# Altium PCB IPO1_V0.01.PcbDoc (part 2 of 2) (continued)
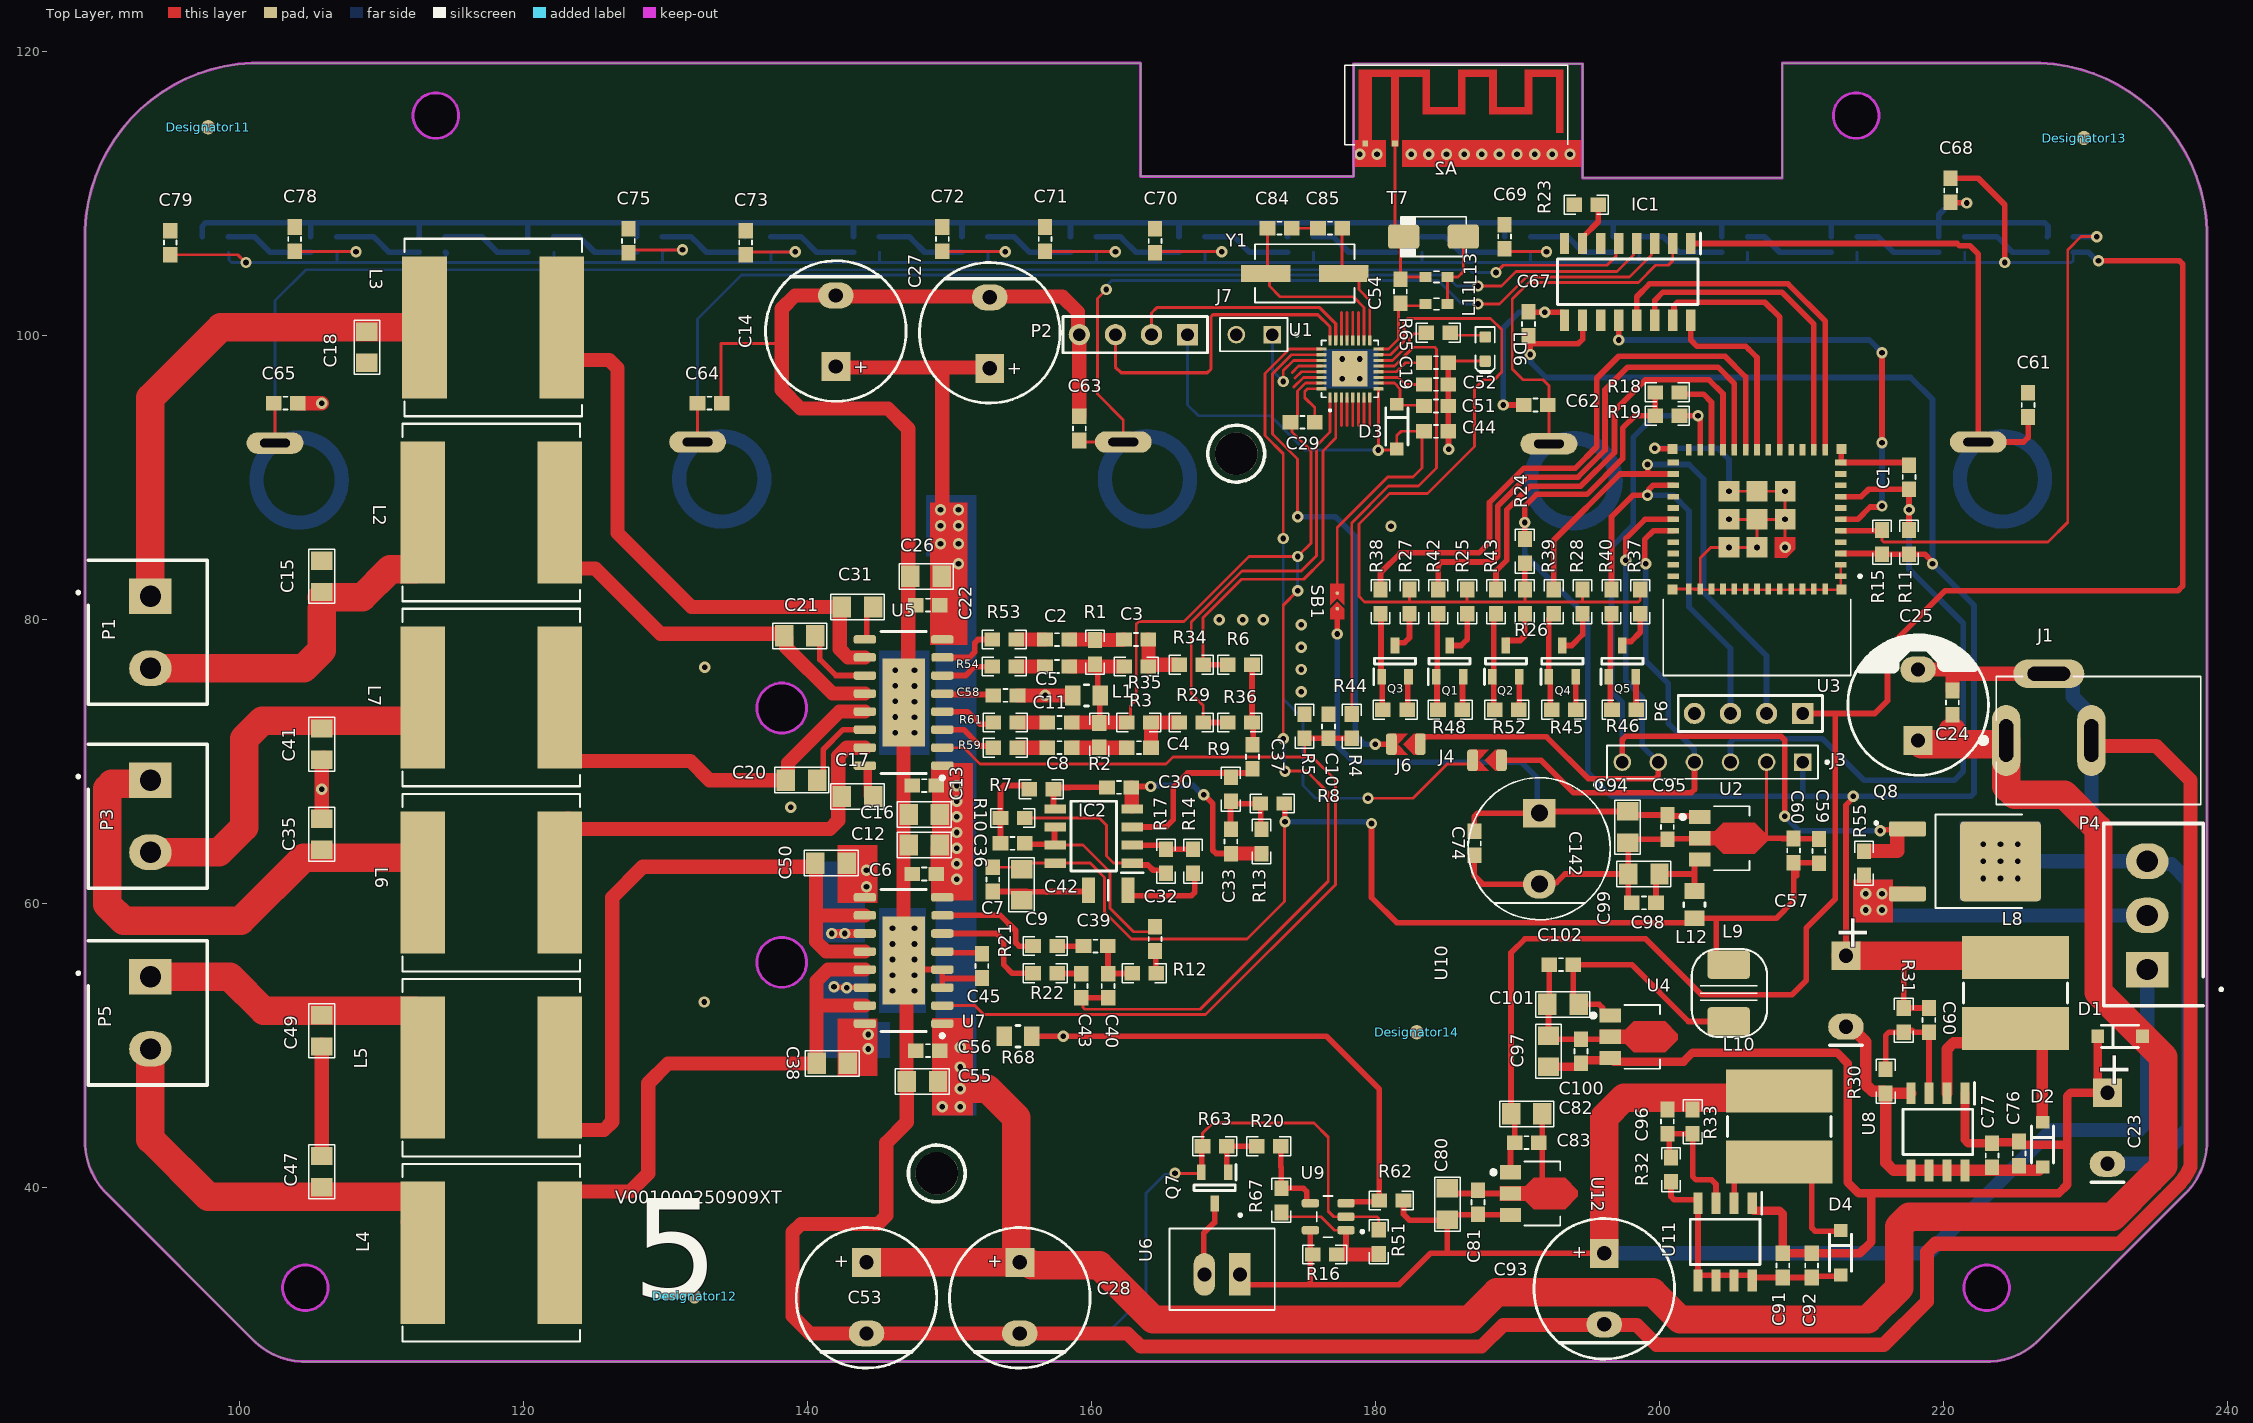
[diagram p0: Top Layer view]
## Nets (pads, with @x,y where several pads share a name; then routed paths per layer and width w, separated by ;. In a path a pad name is that pad's centre, name@x,y a point inside that pad or via, vN(x,y) a via of type N, cw(c..) or ccw(c..) an arc to the next point about the centre after c; other vN are vias at no path point) (continued)
  Top Layer w2: P3.2@93.726,63.627 98.552,63.627 100.33,65.405 100.33,71.628 101.6,72.898 112.328,72.898 112.903,73.473 L7.1@112.903,74.524
NetC34_2: C35.2 L6.1 P3.1 | length 47.8
  Top Layer w1: 90.678,68.121 91.014,68.457 91.264,68.707 P3.1@93.726,68.707 ; C35.2@105.791,63.649 111.828,63.649 112.232,63.246 112.903,62.575 L6.1@112.903,61.493
  Top Layer w2: 90.678,68.121 90.678,59.973 91.85,58.801 100.076,58.801 104.521,63.246 112.232,63.246 112.328,63.246 112.903,62.671 L6.1@112.903,62.575 ; 91.014,68.457 93.476,68.457 P3.1@93.726,68.707
NetC36_2: C36.2 R7.1 R10.1 | length 6.1
  Top Layer w0.4: C36.2@153.582,64.262 R10.1@153.582,66.04 153.582,68.092 153.816,68.326 155.36,68.326 R7.1@155.614,68.072
NetC37_2: C37.2 R6.1 R36.2 | length 5.7
  Top Layer w0.4: R6.1@171.284,76.835 R36.2@171.284,72.771 171.367,72.688 171.367,71.291 171.367,71.252 C37.2@171.323,71.208
NetC38_1: C38.1 L4.2 U7.13 U7.15 | length 41.7
  Top Layer w1: L4.2@122.555,35.433 122.555,38.676 123.63,39.751 127.508,39.751 128.778,41.021 128.778,47.371 130.175,48.768 C38.1@140.632,48.768 140.632,54.575 141.429,55.372 U7.13@144.029,55.372 ; 141.097,52.832 U7.15@144.029,52.832
NetC38_2: C38.2 U7.14 U7.16 | length 11.5
  Top Layer w0.4: v1(141.859,54.155) 141.886,54.129 144.002,54.129 U7.14@144.029,54.102 ; U7.16@144.029,51.562 144.172,51.562 U7.16@144.272,51.462
  Top Layer w0.6: C38.2@142.832,48.768 142.832,48.87 143.18,49.217 143.882,49.217 144.234,49.569 144.234,50.762 v1(144.272,50.8) U7.16@144.272,51.462
  Bottom Layer w0.4: v1(142.748,54.102) 142.748,54.049 142.367,53.668 142.367,51.054 142.698,50.723 144.195,50.723 v1(144.272,50.8)
  other v1: 144.272,49.784
NetC39_1: C39.1 R21.1 | length 1.9
  Top Layer w0.4: R21.1@157.568,57.023 C39.1@159.424,57.023
NetC42_2: C42.2 R14.1 | length 6.4
  Top Layer w0.4: C42.2@162.56,60.96 162.56,60.825 162.81,60.575 167.025,60.575 167.259,60.809 167.259,62.015 R14.1@167.132,62.142
NetC43_1: C43.1 R22.1 | length 1.7
  Top Layer w0.4: R22.1@157.568,55.118 157.587,55.099 159.238,55.099 C43.1@159.258,55.079
NetC45_2: C45.2 U7.5 | length 2.9
  Top Layer w0.4: U7.5@149.479,56.639 149.561,56.558 152.191,56.558 C45.2@152.273,56.476
NetC47_2: C47.2 L4.1 P5.2 | length 33.1
  Top Layer w1: C47.2@105.791,40.048 105.894,39.945 105.894,39.37 ; L4.1@111.828,37.592 112.903,36.517 L4.1@112.903,35.433
  Top Layer w2: P5.2@93.726,49.784 93.726,43.434 97.79,39.37 105.894,39.37 112.328,39.37 112.903,38.795 L4.1@112.903,36.517
NetC48_1: C49.1 L5.1 P5.1 | length 23.8
  Top Layer w2: P5.1@93.726,54.864 99.314,54.864 101.715,52.463 105.791,52.463 112.328,52.463 112.903,51.888 L5.1@112.903,48.463
NetC50_1: C50.1 L5.2 U7.10 U7.12 | length 51.5
  Top Layer w1: L5.2@122.555,48.463 122.555,45.144 123.63,44.069 125.652,44.069 126.238,44.655 126.238,60.452 128.397,62.611 C50.1@140.589,62.611 ; C50.1@140.548,62.865 140.548,62.652 C50.1@140.589,62.611 ; U7.12@144.029,56.639 141.305,56.639 140.589,57.355 140.589,59.309 ; U7.10@144.029,59.186 140.712,59.186 140.589,59.309 ; 140.589,59.309 C50.1@140.589,62.611
NetC50_2: C50.2 U7.9 U7.11 | length 11.1
  Top Layer w0.4: U7.9@143.891,60.552 143.991,60.452 U7.9@144.029,60.452
  Top Layer w0.6: v1(141.689,57.912) v1(142.621,57.912) U7.11@144.029,57.912 ; C50.2@142.748,62.865 142.748,62.763 143.096,62.416 144.032,62.416 144.091,62.357 v1(144.145,62.357) v1(144.145,61.214) 144.107,61.176 144.107,60.452 U7.9@144.029,60.452 ; U7.9@143.891,60.452 U7.9@143.991,60.452
  Bottom Layer w0.4: v1(142.621,57.912) 142.621,61.056 142.855,61.291 144.068,61.291 v1(144.145,61.214)
NetC58_2: C58.2 U5.5 | length 3.6
  Top Layer w0.4: U5.5@149.479,74.8 149.541,74.738 153.012,74.738 C58.2@153.074,74.676
NetC61_1: C61.1 IC1.1 T6.1 | length 38.9
  Top Layer w0.4: IC1.1@202.184,106.492 220.936,106.492 221.096,106.332 221.836,106.332 222.423,105.745 T6.1@222.423,92.516 225.612,92.516 225.933,92.837 C61.1@225.933,94.273
NetC62_1: C62.1 IC1.2 T5.1 | length 25.7
  Top Layer w0.2: T5.1@192.197,92.389 192.197,96.474 191.77,96.901 190.373,96.901 189.611,97.663 189.611,102.587 190.783,103.759 198.498,103.759 199.706,104.966 200.597,104.966 200.914,105.283 IC1.2@200.914,106.492
NetC63_1: C63.1 IC1.3 T4.1 | length 57.3
  Top Layer w0.2: C63.1@159.131,92.622 159.237,92.516 T4.1@160.401,92.516 ; T4.1@160.636,93.026 160.636,92.751 T4.1@160.401,92.516 ; v1(161.036,103.251) 160.401,102.616 160.401,95.885 162.225,94.061 T4.1@162.225,92.516 T4.1@160.401,92.516 ; v1(187.198,102.235) 188.722,102.235 190.626,104.139 197.865,104.139 199.419,105.693 199.419,106.267 IC1.3@199.644,106.492
  Bottom Layer w0.2: v1(161.036,103.251) 161.151,103.366 161.151,103.62 161.417,103.886 184.404,103.886 186.055,102.235 v1(187.198,102.235)
NetC64_1: C64.1 IC1.4 T3.1 | length 81.2
  Top Layer w0.2: C64.1@132.246,95.25 132.253,95.243 T3.1@132.253,92.516 ; v1(187.198,103.505) 188.849,103.505 189.865,104.521 196.977,104.521 198.149,105.693 198.149,106.267 IC1.4@198.374,106.492
  Bottom Layer w0.2: T3.1@132.253,92.516 132.253,101.166 135.354,104.267 184.912,104.267 185.674,103.505 v1(187.198,103.505)
  Bottom Layer w0.4: T3.1@132.253,92.516 T3.1@132.457,92.516 ; T3.1@133.059,92.779 T3.1@133.303,93.024
NetC65_1: C65.1 IC1.5 T2.1 | length 109.7
  Top Layer w0.2: C65.1@102.401,95.25 102.501,95.15 T2.1@102.501,92.439 ; v1(188.468,104.456) 188.978,104.966 196.279,104.966 196.905,105.592 196.905,106.293 IC1.5@197.104,106.492
  Bottom Layer w0.2: T2.1@102.501,92.439 102.501,102.471 104.678,104.648 186.592,104.648 186.784,104.456 v1(188.468,104.456)
NetC66_1: IC1.6
NetC90_2: C90.2 R30.2 R31.1 U8.3 | length 9.9
  Top Layer w0.4: R30.2@215.9,48.348 215.9,50.732 216.134,50.966 R31.1@217.17,50.966 217.297,51.093 217.754,51.093 217.881,50.966 C90.2@218.948,50.966 U8.3@218.948,46.654
NetC96_2: C96.2 R32.2 R33.1 U11.3 | length 9.8
  Top Layer w0.4: R32.2@200.787,42.136 200.66,42.263 200.66,43.688 C96.2@200.533,43.815 R33.1@202.311,43.815 202.311,40.797 202.545,40.562 203.659,40.562 203.962,40.259 U11.3@203.962,38.907
NetC101_2: C101.2 C102.2 L9.2 U4.1 | length 18.8
  Top Layer w0.4: U4.1@196.516,52.135 196.266,52.135 195.966,52.435 195.966,52.685 195.73,52.921 C101.2@194.282,52.921 ; L9.2@204.851,51.721 202.025,51.721 198.031,55.715 C102.2@193.905,55.715 C101.2@193.905,53.298 ; C101.2@193.905,53.298 C101.2@194.282,52.921 ; C101.2@193.905,53.298 C101.2@194.282,52.921
NetD2_1: D2.1 L8.2 U8.2 | length 18.1
  Top Layer w0.4: L8.2@223.766,49.943 224.917,51.094 L8.2@225.044,51.221 225.624,51.221 L8.2@226.924,49.921 ; D2.1@226.924,44.628 D2.1@226.949,44.628
  Top Layer w0.8: U8.2@220.218,46.654 220.218,49.763 220.687,50.231 224.054,50.231 L8.2@225.044,51.221 ; D2.1@226.924,44.628 L8.2@226.924,49.921
NetD4_1: D4.1 L10.2 U11.2 | length 13.6
  Top Layer w0.4: U11.2@205.232,38.907 205.232,40.517 206.538,41.823 209.393,41.823 210.693,40.523 210.693,37.188 210.927,36.954 212.671,36.954 D4.1@212.725,37.008
NetIC1_7: IC1.7 R23.1 | length 3.2
  Top Layer w0.4: IC1.7@194.564,106.492 194.564,106.917 195.668,108.021 R23.1@195.668,109.22
NetIC2_1: IC2.1 R10.2 R17.1 | length 12.8
  Top Layer w0.2: R10.2@155.282,66.04 160.528,66.04 161.036,65.532 161.036,63.373 161.544,62.865 IC2.1@162.859,62.865
  Top Layer w0.4: IC2.1@162.859,62.865 162.984,62.74 163.955,62.74 164.33,62.365 165.004,62.365 R17.1@165.227,62.142
NetIC2_2: IC2.2 R14.2 R17.2 | length 4.4
  Top Layer w0.4: IC2.2@162.859,64.135 164.934,64.135 R17.2@165.227,63.842 ; R17.2@165.282,63.77 165.354,63.842 R14.2@167.132,63.842
NetLD6_2: LD6.2 R65.2 | length 2.6
  Top Layer w0.2: R65.2@185.254,100.203 185.42,100.037 187.579,100.037 LD6.2@187.706,99.91
NetLED1_1: LED1.1 LED2.3 | length 6.3
  Bottom Layer w0.4: LED2.3@221.466,106.976 223.732,106.976 224.832,105.876 LED1.1@227.277,105.876
NetLED2_1: LED2.1 LED3.3 | length 6.2
  Bottom Layer w0.4: LED3.3@213.894,106.976 215.35,106.976 216.45,105.876 LED2.1@219.636,105.876
NetLED3_1: LED3.1 LED4.3 | length 6.3
  Bottom Layer w0.4: LED4.3@206.184,106.976 207.349,106.976 208.449,105.876 LED3.1@212.064,105.876
NetLED4_1: LED4.1 LED5.3 | length 6.3
  Bottom Layer w0.4: LED5.3@198.543,106.976 200.237,106.976 200.405,106.808 201.337,105.876 LED4.1@204.354,105.876
NetLED5_1: LED5.1 LED6.3 | length 6.3
  Bottom Layer w0.4: LED6.3@190.903,106.976 193.506,106.976 194.606,105.876 LED5.1@196.713,105.876
NetLED6_1: LED6.1 LED7.3 | length 6.3
  Bottom Layer w0.4: LED7.3@183.262,106.976 184.87,106.976 185.97,105.876 LED6.1@189.073,105.876
NetLED7_1: LED7.1 LED8.3 | length 6.3
  Bottom Layer w0.4: LED8.3@175.621,106.976 176.996,106.976 178.096,105.876 LED7.1@181.432,105.876
NetLED8_1: LED8.1 LED9.3 | length 6.3
  Bottom Layer w0.4: LED9.3@167.98,106.976 170.011,106.976 171.111,105.876 LED8.1@173.791,105.876
NetLED9_1: LED9.1 LED10.3 | length 6.3
  Bottom Layer w0.4: LED10.3@160.339,106.976 162.01,106.976 162.178,106.808 163.11,105.876 LED9.1@166.15,105.876
NetLED10_1: LED10.1 LED11.3 | length 6.3
  Bottom Layer w0.4: LED11.3@152.698,106.976 154.517,106.976 155.617,105.876 LED10.1@158.509,105.876
NetLED11_1: LED11.1 LED12.3 | length 6.3
  Bottom Layer w0.4: LED12.3@145.057,106.976 147.151,106.976 147.319,106.808 148.251,105.876 LED11.1@150.868,105.876
NetLED12_1: LED12.1 LED13.3 | length 6.3
  Bottom Layer w0.4: LED13.3@137.416,106.976 139.531,106.976 140.631,105.876 LED12.1@143.227,105.876
NetLED13_1: LED13.1 LED14.3 | length 6.3
  Bottom Layer w0.4: LED14.3@129.776,106.976 131.784,106.976 131.952,106.808 132.884,105.876 LED13.1@135.586,105.876
NetLED14_1: LED14.1 LED15.3 | length 6.3
  Bottom Layer w0.4: LED15.3@122.135,106.976 123.91,106.976 125.01,105.876 LED14.1@127.946,105.876
NetLED15_1: LED15.1 LED16.3 | length 6.3
  Bottom Layer w0.4: LED16.3@114.494,106.976 117.052,106.976 118.152,105.876 LED15.1@120.305,105.876
NetLED16_1: LED16.1 LED17.3 | length 6.3
  Bottom Layer w0.4: LED17.3@106.853,106.976 109.432,106.976 109.6,106.808 110.532,105.876 LED16.1@112.664,105.876
NetLED17_1: LED17.1 LED18.3 | length 6.3
  Bottom Layer w0.4: LED18.3@99.212,106.976 101.05,106.976 101.218,106.808 102.15,105.876 LED17.1@105.023,105.876
NetQ1_1: Q1.1 R42.2 R48.1 | length 6.9
  Top Layer w0.4: R48.1@184.38,73.66 184.314,73.726 184.314,75.923 Q1.1@184.248,75.989 184.326,76.067 184.326,80.352 R42.2@184.404,80.43
NetQ1_3: Q1.3 R25.1 | length 3.2
  Top Layer w0.4: Q1.3@185.198,78.189 186.012,78.189 186.436,78.613 R25.1@186.436,80.43
NetQ2_1: Q2.1 R43.2 R52.2 | length 6.9
  Top Layer w0.4: R52.2@188.38,73.66 188.298,73.742 188.298,75.907 Q2.1@188.217,75.989 188.317,76.089 188.317,80.278 R43.2@188.468,80.43
NetQ2_3: Q2.3 R26.1 | length 3.3
  Top Layer w0.4: Q2.3@189.167,78.189 189.167,78.439 189.267,78.539 190.172,78.539 190.492,78.859 190.492,80.422 R26.1@190.5,80.43
NetQ3_1: Q3.1 R38.1 R44.1 | length 6.8
  Top Layer w0.4: R38.1@180.34,80.43 180.373,80.397 180.373,76.022 180.456,75.939 180.456,73.71 R44.1@180.506,73.66
NetQ3_3: Q3.3 R27.1 | length 3
  Top Layer w0.4: Q3.3@181.356,78.189 181.356,78.29 181.456,78.39 182.022,78.39 182.372,78.74 R27.1@182.372,80.43
NetQ4_1: Q4.1 R39.2 R45.1 | length 7
  Top Layer w0.4: R45.1@192.381,73.66 192.283,73.758 192.283,75.891 Q4.1@192.185,75.989 192.185,80.033 192.532,80.38 R39.2@192.532,80.43
NetQ4_3: Q4.3 R28.1 | length 3.2
  Top Layer w0.4: Q4.3@193.135,78.189 193.801,78.189 194.564,78.952 R28.1@194.564,80.43
NetQ5_1: Q5.1 R40.1 R46.1 | length 6.9
  Top Layer w0.4: R40.1@196.596,80.43 196.502,80.336 196.502,76.083 Q5.1@196.408,75.989 196.508,75.889 196.508,73.787 R46.1@196.635,73.66
NetQ5_3: Q5.3 R37.1 | length 3.1
  Top Layer w0.4: Q5.3@197.358,78.189 197.358,78.369 197.458,78.469 197.976,78.469 198.628,79.121 R37.1@198.628,80.43
NetQ6_1: 
NetQ6_3: 
NetQ7_1: Q7.1 R20.2 R63.1 | length 4
  Top Layer w0.4: Q7.1@169.606,41.105 169.506,41.205 169.506,41.89 R63.1@169.506,42.926 R20.2@171.616,42.926
NetQ7_3: Q7.3 U6.2 | length 5.4
  Top Layer w0.4: U6.2@167.934,33.909 167.894,33.949 167.894,36.83 168.614,37.55 168.656,37.55 Q7.3@168.656,38.905
NetR16_1: R16.1 R51.2 R67.1 U9.1 | length 9.1
  Top Layer w0.2: R67.1@173.648,37.973 176.149,37.973 177.101,37.021 U9.1@177.903,37.021
  Top Layer w0.4: R67.1@173.355,38.266 R67.1@173.648,37.973 ; U9.1@177.903,37.021 177.903,35.33 177.927,35.306
  Top Layer w1: 177.927,35.306 180.213,35.306 R51.2@180.213,35.345
NetR20_1: R20.1 R67.2 U9.4 | length 5.9
  Top Layer w0.4: R20.1@173.316,42.926 173.316,41.481 173.335,41.461 173.335,39.986 R67.2@173.355,39.966 174.918,39.966 175.132,39.752 175.132,39.016 175.227,38.921 U9.4@175.393,38.921
NetR21_2: R21.2 U7.7 | length 7.8
  Top Layer w0.4: U7.7@149.5,59.186 153.569,59.186 154.65,58.104 154.65,57.257 154.884,57.023 R21.2@155.868,57.023
NetR22_2: R22.2 U7.6 | length 8.5
  Top Layer w0.4: U7.6@149.479,57.912 153.289,57.912 153.797,57.404 153.797,55.718 154.397,55.118 R22.2@155.868,55.118
NetR53_2: R53.2 U5.7 | length 4.4
  Top Layer w0.4: U5.7@149.5,77.347 151.388,77.347 151.765,77.724 151.765,78.374 151.999,78.608 R53.2@153.001,78.608
NetR54_2: R54.2 U5.6 | length 3.8
  Top Layer w0.4: U5.6@149.479,76.073 151.13,76.073 151.76,76.703 R54.2@153.001,76.703
NetR56_2: R56.2 R62.1 R68.2 U9.3 | length 38.7
  Top Layer w0.4: R68.2@155.775,50.673 v1(157.988,50.673) 176.53,50.673 180.252,46.951 R62.1@180.252,39.116 180.152,39.016 177.998,39.016 U9.3@177.903,38.921
  Bottom Layer w0.4: R56.2@155.648,50.546 155.775,50.673 v1(157.988,50.673)
NetR59_2: R59.2 U5.3 | length 4.1
  Top Layer w0.4: U5.3@149.479,72.263 151.003,72.263 151.129,72.137 151.407,71.859 152.158,71.108 152.959,71.108 R59.2@153.074,70.993
NetR61_2: R61.2 U5.4 | length 4
  Top Layer w0.4: U5.4@149.479,73.533 151.257,73.533 152.146,72.644 152.947,72.644 R61.2@153.074,72.771
PWR_OFF_T: IC1.11
SD_CLK: U1.6 | length 2
  Top Layer w0.2: 178.781,93.683 U1.6@178.781,95.658
SD_DAT: U1.8 | length 2
  Top Layer w0.2: 179.581,93.683 U1.8@179.581,95.658
SD_PG: U1.3 | length 2
  Top Layer w0.2: 177.581,93.683 U1.3@177.581,95.658
USB_DM: 
USB_DP: 
USBDM: P2.2 U1.23 | length 16.3
  Top Layer w0.22: P2.2@164.211,100.076 164.211,101.6 164.592,101.981 176.046,101.981 177.181,100.846 U1.23@177.181,99.668
USBDP: P2.3 U1.24 | length 22.7
  Top Layer w0.22: P2.3@161.671,100.076 161.671,97.79 162.071,97.39 168.148,97.39 168.402,97.644 168.402,101.344 168.531,101.473 175.928,101.473 176.781,100.62 U1.24@176.781,99.668
VBAT: C51.1 D3.2 U1.10 | length 4.6
  Top Layer w0.2: U1.10@180.186,96.663 181.309,96.663 181.71,96.262 181.71,95.101 183.349,95.101 C51.1@183.4,95.05
VCC: C6.1 C12.2 C13.1 C14.1 C16.2 C22.1 C24.1 C25.1 C26.2 C27.1 C28.1 C53.1 C55.2 C56.1 D1.2 J1.1 U5.1 U5.8 U7.1 U7.8 | length 207.7
  Top Layer w0.4: C13.1@149.059,68.326 149.109,68.326 v1(150.495,68.326) ; C16.2@149.161,66.543 149.479,66.226 149.538,66.167 v1@150.495,66.167
  Top Layer w1: C14.1@141.986,97.83 142.049,97.766 149.479,97.766 ; C6.1@149.059,62.103 C6.1@149.109,62.103 ; C13.1@149.109,68.326 149.194,68.411 U5.1@149.194,69.523 ; U7.8@149.194,60.652 149.194,62.018 C6.1@149.109,62.103 ; C12.2@149.309,64.135 C12.2@149.411,64.135 ; C16.2@149.479,66.226 149.479,64.135 C12.2@149.411,64.135 ; 149.479,78.994 149.479,85.344 149.479,97.766 ; C27.1@152.821,97.703 152.758,97.766 149.479,97.766 ; C6.1@149.109,62.103 149.161,62.155 149.161,63.886 C12.2@149.411,64.135
  Top Layer w2: C53.1@144.145,34.758 C28.1@154.94,34.758 ; v1@150.495,46.99 v1(150.749,46.99) 152.654,46.99 154.686,44.958 154.686,35.012 C28.1@154.94,34.758 ; C25.1@218.186,71.501 218.44,71.247 220.599,71.247 ; 220.599,72.136 220.599,71.247 ; C28.1@154.94,34.758 154.956,34.742 155.574,34.742 155.772,34.544 160.528,34.544 164.338,30.734 186.604,30.734 188.509,32.639 199.517,32.639 201.422,30.734 214.63,30.734 216.852,32.956 216.852,37.274 217.551,37.973 231.892,37.973 234.539,40.619 235.357,41.438 235.458,41.561 235.458,49.2 D1.2@233.985,50.673 230.886,53.772 230.886,65.278 228.473,67.691 224.972,67.691 224.386,68.277 J1.1@224.386,71.501 224.132,71.247 220.599,71.247
  Bottom Layer w0.4: v1(150.495,61.722) v1(150.495,62.823) v1(150.495,63.923) v1(150.495,65.024) v1(150.495,66.125) v1(150.495,67.225) v1(150.495,68.326)
  Bottom Layer w1: C27.1@152.821,97.703 C27.1@153.06,97.942 ; J1.1@224.259,71.374 J1.1@224.386,71.501
  other v1: 149.479,45.72 150.749,45.72 150.749,48.514 150.749,49.911 150.622,83.947 149.352,85.344 150.622,85.344 149.352,86.614 150.622,86.614 149.352,87.757 150.622,87.757
VCM: C29.1 U1.32 | length 3.7
  Top Layer w0.2: C29.1@175.702,93.907 175.702,94.935 175.006,95.631 175.006,96.08 175.189,96.263 U1.32@176.176,96.263
Vin-P: C98.2 C99.2 L12.1 U2.3 | length 7.1
  Top Layer w0.4: C98.2@199.732,60.071 199.732,61.853 C99.2@199.982,62.103 202.311,62.103 202.438,62.23 ; L12.1@202.438,60.906 202.438,62.23 ; U2.3@202.819,63.119 202.738,63.119 202.438,62.819 202.438,62.23
Vout: C74.2 C94.2 C95.2 C142.1 SB1.1 U2.1 | length 44.4
  Top Layer w0.4: v1(177.292,78.994) SB1.1@177.292,80.78 ; C74.2@186.944,65.112 186.944,66.147 187.178,66.381 C142.1@191.516,66.381 191.64,66.505 C94.2@197.739,66.505 197.989,66.255 C95.2@200.533,66.255 200.601,66.187 202.751,66.187 U2.1@202.819,66.119
  Bottom Layer w0.4: v1(177.292,78.994) 177.292,71.12 178.435,69.977 190.246,69.977 191.366,68.857 191.366,66.531 C142.1@191.516,66.381
VPWR: C44.1 D3.1 P2.1 SB1.2 U1.9 | length 43.3
  Top Layer w0.2: SB1.2@177.292,81.88 177.292,86.487 180.848,90.043 182.626,90.043 183.261,90.678 183.261,93.133 C44.1@183.4,93.272 181.791,93.272 181.483,92.964 D3.1@181.483,92.024 181.407,91.948 v1(180.186,91.948) U1.9@180.186,96.263
  Bottom Layer w0.2: P2.1@166.751,100.076 166.751,95.123 167.513,94.361 172.593,94.361 175.006,91.948 v1(180.186,91.948)
pads on no net: Designator11.25 Designator12.25 Designator13.25 Designator14.25 IC1.8 L9.0 LD6.0 LED18.1 T7.0 U3.4 U3.7 U3.9 U3.10 U3.15 U3.17 U3.24 U3.25 U3.28 U3.29 U3.32 U3.33 U3.34 U3.35 U10.3

## Polygon pours and split planes (outlines as drawn)
GND on Top Layer "NONET_L01_P000" (solid, remove dead copper, shelved, pour order 0): 89.617,41.054 89.421,41.526 89.273,42.015 89.173,42.516 89.123,43.025 89.123,43.28 89.123,106.998 89.123,107.478 89.199,108.434 89.349,109.38 89.572,110.313 89.869,111.224 90.235,112.11 90.671,112.964 91.172,113.782 91.735,114.557 92.358,115.286 93.036,115.964 93.765,116.587 94.54,117.15 95.358,117.651 96.212,118.087 97.098,118.454 98.009,118.75 98.942,118.974 99.889,119.124 100.844,119.199 163.442,119.199 163.442,111.221 178.442,111.221 178.442,119.144 194.564,119.144 194.564,111.112 208.621,111.112 208.621,119.199 226.803,119.199 227.759,119.124 228.706,118.974 229.638,118.75 230.55,118.454 231.435,118.087 232.29,117.651 233.107,117.15 233.883,116.587 234.612,115.964 235.29,115.286 235.912,114.557 236.476,113.782 236.977,112.964 237.412,112.11 237.779,111.224 238.075,110.313 238.299,109.38 238.449,108.434 238.524,107.478 238.524,106.998 238.524,43.28 238.524,43.025 238.474,42.516 238.374,42.015 238.226,41.526 238.03,41.054 237.79,40.603 237.506,40.179 237.182,39.784 237.001,39.603 226.687,29.289 226.507,29.109 226.112,28.784 225.687,28.501 225.236,28.26 224.764,28.064 224.275,27.916 223.774,27.816 223.265,27.766 223.01,27.766 104.382,27.766 103.873,27.816 103.372,27.916 102.883,28.064 102.411,28.26 101.961,28.501 101.536,28.784 101.141,29.109 100.96,29.289 90.646,39.603 90.466,39.784 90.142,40.179 89.858,40.603
GND on Bottom Layer "NONET_L02_P001" (solid, remove dead copper, shelved, pour order 1): 89.617,41.054 89.421,41.526 89.273,42.015 89.173,42.516 89.123,43.025 89.123,43.28 89.123,106.998 89.123,107.478 89.199,108.434 89.349,109.38 89.572,110.313 89.869,111.224 90.235,112.11 90.671,112.964 91.172,113.782 91.735,114.557 92.358,115.286 93.036,115.964 93.765,116.587 94.54,117.15 95.358,117.651 96.212,118.087 97.098,118.454 98.009,118.75 98.942,118.974 99.889,119.124 100.844,119.199 163.442,119.199 163.442,111.221 178.442,111.221 178.442,119.144 194.564,119.144 194.564,111.112 208.621,111.112 208.621,119.199 226.803,119.199 227.759,119.124 228.706,118.974 229.638,118.75 230.55,118.454 231.435,118.087 232.29,117.651 233.107,117.15 233.883,116.587 234.612,115.964 235.29,115.286 235.912,114.557 236.476,113.782 236.977,112.964 237.412,112.11 237.779,111.224 238.075,110.313 238.299,109.38 238.449,108.434 238.524,107.478 238.524,106.998 238.524,43.28 238.524,43.025 238.474,42.516 238.374,42.015 238.226,41.526 238.03,41.054 237.79,40.603 237.506,40.179 237.182,39.784 237.001,39.603 226.687,29.289 226.507,29.109 226.112,28.784 225.687,28.501 225.236,28.26 224.764,28.064 224.275,27.916 223.774,27.816 223.265,27.766 223.01,27.766 104.382,27.766 103.873,27.816 103.372,27.916 102.883,28.064 102.411,28.26 101.961,28.501 101.536,28.784 101.141,29.109 100.96,29.289 90.646,39.603 90.466,39.784 90.142,40.179 89.858,40.603

## Keep-outs
Keep-Out Layer:
  lines w0.2: 89.123,43.025 89.123,43.28 89.123,106.998 89.123,107.478 89.199,108.434 89.349,109.38 89.572,110.313 89.869,111.224 90.235,112.11 90.671,112.964 91.172,113.782 91.735,114.557 92.358,115.286 93.036,115.964 93.765,116.587 94.54,117.15 95.358,117.651 96.212,118.087 97.098,118.454 98.009,118.75 98.942,118.974 99.889,119.124 100.844,119.199 163.442,119.199 163.442,111.221 178.442,111.221 178.442,119.144 194.564,119.144 194.564,111.112 208.621,111.112 208.621,119.199 226.803,119.199 227.759,119.124 228.706,118.974 229.638,118.75 230.55,118.454 231.435,118.087 232.29,117.651 233.107,117.15 233.883,116.587 234.612,115.964 235.29,115.286 235.912,114.557 236.476,113.782 236.977,112.964 237.412,112.11 237.779,111.224 238.075,110.313 238.299,109.38 238.449,108.434 238.524,107.478 238.524,106.998 238.524,43.28 238.524,43.025 238.474,42.516 238.374,42.015 238.226,41.526 238.03,41.054 237.79,40.603 237.506,40.179 237.182,39.784 237.001,39.603 226.687,29.289 226.507,29.109 226.112,28.784 225.687,28.501 225.236,28.26 224.764,28.064 224.275,27.916 223.774,27.816 223.265,27.766 223.01,27.766 104.382,27.766 103.873,27.816 103.372,27.916 102.883,28.064 102.411,28.26 101.961,28.501 101.536,28.784 101.141,29.109 100.96,29.289 90.646,39.603 90.466,39.784 90.142,40.179 89.858,40.603 89.617,41.054 89.421,41.526 89.273,42.015 89.173,42.516 89.123,43.025 ; 103.037,32.809 103.099,32.5 103.22,32.209 103.395,31.946 103.617,31.724 103.88,31.549 104.171,31.428 104.48,31.366 104.795,31.366 105.104,31.428 105.395,31.549 105.657,31.724 105.88,31.946 106.055,32.209 106.176,32.5 106.237,32.809 106.237,32.966 106.237,33.124 106.176,33.433 106.055,33.724 105.88,33.986 105.657,34.209 105.395,34.384 105.104,34.505 104.795,34.566 104.48,34.566 104.171,34.505 103.88,34.384 103.617,34.209 103.395,33.986 103.22,33.724 103.099,33.433 103.037,33.124 103.037,32.966 103.037,32.809 ; 112.224,115.341 112.285,115.032 112.406,114.741 112.581,114.478 112.804,114.256 113.066,114.081 113.357,113.96 113.666,113.898 113.981,113.898 114.29,113.96 114.582,114.081 114.844,114.256 115.067,114.478 115.242,114.741 115.362,115.032 115.424,115.341 115.424,115.498 115.424,115.656 115.362,115.965 115.242,116.256 115.067,116.518 114.844,116.741 114.582,116.916 114.29,117.037 113.981,117.098 113.666,117.098 113.357,117.037 113.066,116.916 112.804,116.741 112.581,116.518 112.406,116.256 112.285,115.965 112.224,115.656 112.224,115.498 112.224,115.341 ; 136.426,55.708 136.493,55.37 136.625,55.051 136.817,54.764 137.06,54.521 137.347,54.329 137.666,54.197 138.004,54.13 138.348,54.13 138.686,54.197 139.005,54.329 139.292,54.521 139.535,54.764 139.727,55.051 139.859,55.37 139.926,55.708 139.926,55.88 139.926,56.052 139.859,56.39 139.727,56.709 139.535,56.996 139.292,57.239 139.005,57.431 138.686,57.563 138.348,57.63 138.004,57.63 137.666,57.563 137.347,57.431 137.06,57.239 136.817,56.996 136.625,56.709 136.493,56.39 136.426,56.052 136.426,55.88 136.426,55.708 ; 136.426,73.615 136.493,73.277 136.625,72.958 136.817,72.671 137.06,72.428 137.347,72.236 137.666,72.104 138.004,72.037 138.348,72.037 138.686,72.104 139.005,72.236 139.292,72.428 139.535,72.671 139.727,72.958 139.859,73.277 139.926,73.615 139.926,73.787 139.926,73.959 139.859,74.297 139.727,74.616 139.535,74.903 139.292,75.146 139.005,75.338 138.686,75.47 138.348,75.537 138.004,75.537 137.666,75.47 137.347,75.338 137.06,75.146 136.817,74.903 136.625,74.616 136.493,74.297 136.426,73.959 136.426,73.787 136.426,73.615 ; 212.224,115.341 212.285,115.032 212.406,114.741 212.581,114.478 212.804,114.256 213.066,114.081 213.357,113.96 213.666,113.898 213.981,113.898 214.29,113.96 214.582,114.081 214.844,114.256 215.067,114.478 215.242,114.741 215.362,115.032 215.424,115.341 215.424,115.498 215.424,115.656 215.362,115.965 215.242,116.256 215.067,116.518 214.844,116.741 214.582,116.916 214.29,117.037 213.981,117.098 213.666,117.098 213.357,117.037 213.066,116.916 212.804,116.741 212.581,116.518 212.406,116.256 212.285,115.965 212.224,115.656 212.224,115.498 212.224,115.341 ; 221.41,32.809 221.471,32.5 221.592,32.209 221.767,31.946 221.99,31.724 222.252,31.549 222.543,31.428 222.852,31.366 223.168,31.366 223.477,31.428 223.768,31.549 224.03,31.724 224.253,31.946 224.428,32.209 224.549,32.5 224.61,32.809 224.61,32.966 224.61,33.124 224.549,33.433 224.428,33.724 224.253,33.986 224.03,34.209 223.768,34.384 223.477,34.505 223.168,34.566 222.852,34.566 222.543,34.505 222.252,34.384 221.99,34.209 221.767,33.986 221.592,33.724 221.471,33.433 221.41,33.124 221.41,32.966 221.41,32.809

## Other copper
Top Layer:
  rectangle net NetC50_2: 142.113,60.071 144.907,64.135
  rectangle net NetC38_2: 142.113,47.879 144.907,51.943
  rectangle net GND: 178.377,111.887 180.721,113.792
  rectangle net GND: 181.864,111.887 194.437,113.792
  rectangle net VCC: 148.754,45.085 151.638,51.962
  rectangle net VCC: 148.627,78.232 151.257,88.265
  rectangle net VCC: 148.754,60.252 151.638,69.923
  rectangle net LED_OUT: 213.614,58.674 216.408,61.722
  pour cut-out: 214.843,81.951 198.725,81.951 198.725,75.565 214.884,75.565
  pour cut-out: 228.572,94.115 219.71,94.115 219.71,85.344 228.629,85.344
  pour cut-out: 197.739,93.599 188.877,93.599 188.877,84.828 197.795,84.828
  pour cut-out: 168.247,94.242 159.385,94.242 159.385,85.471 168.304,85.471
  pour cut-out: 138.275,94.242 129.413,94.242 129.413,85.471 138.332,85.471
  pour cut-out: 108.43,94.496 99.568,94.496 99.568,85.725 108.487,85.725
  pour cut-out: 180.213,106.68 169.755,106.68 169.755,102.362 180.241,102.362
  pour cut-out: 194.495,119.126 178.377,119.126 178.377,112.74 194.536,112.74
  pour cut-out: 125.442,107.061 110.109,107.061 110.109,28.575 125.946,28.575
Bottom Layer:
  rectangle net NetC38_2: 141.097,49.149 144.272,54.991
  rectangle net NetC38_2: 141.605,49.149 145.796,51.689
  rectangle net NetC50_2: 141.097,60.452 144.907,62.992
  rectangle net NetC50_2: 141.097,57.277 144.032,62.992
  rectangle net GND: 178.377,111.887 180.721,113.792
  rectangle net GND: 181.864,111.887 194.437,113.792
  rectangle net VCC: 148.336,84.455 150.368,88.773
  rectangle net VCC: 149.008,45.085 151.892,88.773
  rectangle net LED_OUT: 213.614,58.674 216.408,61.722
  rectangle net GND: 221.107,60.198 226.822,65.786
  rectangle net GND: 176.336,96.269 180.186,99.063
  rectangle net GND: 145.034,70.486 148.59,77.853
  rectangle net GND: 145.034,52.325 148.336,59.692
  pour cut-out: 214.843,81.951 198.725,81.951 198.725,75.565 214.884,75.565
  pour cut-out: 108.43,94.496 99.568,94.496 99.568,85.725 108.487,85.725
  pour cut-out: 194.513,119.051 178.407,119.051 178.407,112.665 194.554,112.665
  pour cut-out: 228.572,94.115 219.71,94.115 219.71,85.344 228.629,85.344
  pour cut-out: 197.739,93.599 188.877,93.599 188.877,84.828 197.795,84.828
  pour cut-out: 168.247,94.242 159.385,94.242 159.385,85.471 168.304,85.471
  pour cut-out: 138.275,94.242 129.413,94.242 129.413,85.471 138.332,85.471

## Silkscreen, mask and mechanical layers (free items; w line width, h text height)
Top Overlay:
  text "V001000250909XT" at 126.454,38.57 h1.52
  text "5" at 127.635,29.985 h12
Bottom Solder:
  rectangle: 144.653,48.903 149.606,80.899
Mechanical 1:
  drawing of 774 lines, arcs and shapes, not listed
Mechanical 3:
  circle w0.254: c138.176,55.88 r3.5
  circle w0.254: c138.176,55.88 r1.75
  circle w0.254: c138.176,73.787 r1.75
  circle w0.254: c138.176,73.787 r3.5

## Text inside footprints (layer, text, board x,y; h text height)
C14: Top Overlay "+" at 144.464,97.269 h1.52 r90
C23: Top Overlay "+" at 230.251,49.657 h4 r270
C27: Top Overlay "+" at 155.299,97.142 h1.52 r90
C28: Top Overlay "+" at 152.462,35.319 h1.52 r270
C53: Top Overlay "+" at 141.667,35.319 h1.52 r270
C57: Top Overlay "+" at 211.836,59.309 h4 r270
C93: Top Overlay "+" at 193.61,35.954 h1.52 r270